# KiCad board Naked48.kicad_pcb (continued)
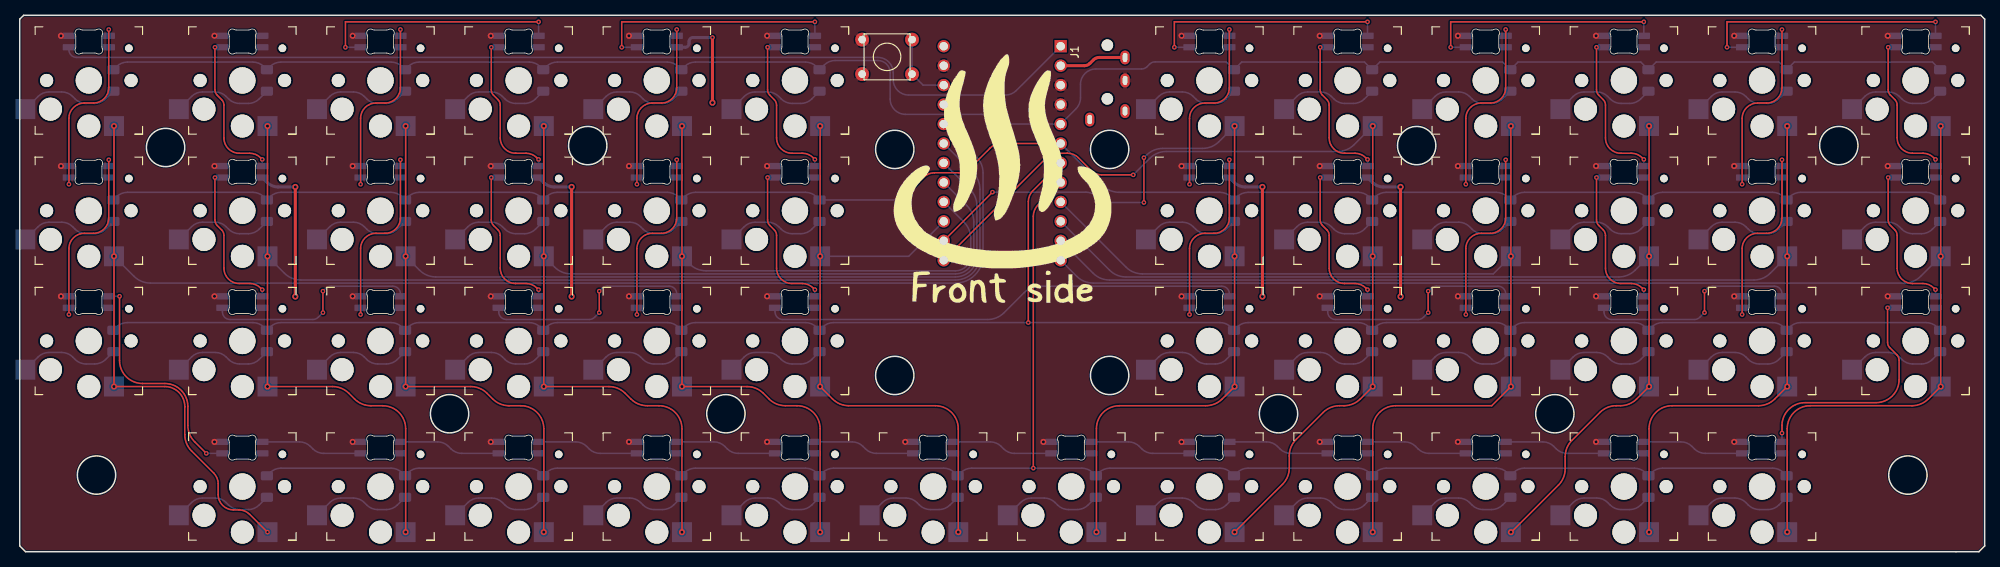
[diagram p0: board, top side]
## Routing (per net, layer and track width the routed paths; a pad name or vN(x,y) marks a point on that pad's centre or on a via; arc(x,y) is an arc through that point) (continued)
RGB: length 135.9
  Bottom w0.2: 6.41,65.83 6.41,65.5 arc(6.7,64.8) 7.41,64.5 111.8,64.5 arc(113.21,63.92) 113.8,62.5 113.8,61.6 arc(114.39,60.19) 115.8,59.6 128.42,59.6 arc(129.19,59.75) 129.84,60.19 U1.1
Row0: length 257.1
  Bottom w0.2: D1.1 12.61,63.31 arc(13.26,63.75) 14.03,63.9 30.37,63.9 arc(31.14,63.75) 31.79,63.31 D2.1 32.61,63.31 arc(33.26,63.75) 34.03,63.9 48.37,63.9 arc(49.14,63.75) 49.79,63.31 D3.1 50.61,63.31 arc(51.26,63.75) 52.03,63.9 66.37,63.9 arc(67.14,63.75) 67.79,63.31 D4.1 68.61,63.31 arc(69.26,63.75) 70.03,63.9 84.37,63.9 arc(85.14,63.75) 85.79,63.31 D5.1 86.61,63.31 arc(87.26,63.75) 88.03,63.9 102.37,63.9 arc(103.14,63.75) 103.79,63.31 D6.1 104.82,63.52 arc(105.47,63.95) 106.23,64.1 111.8,64.1 arc(112.93,63.64) 113.4,62.5 113.4,59.08 arc(113.99,57.66) 115.4,57.08 125.27,57.08 arc(126.04,56.92) 126.69,56.49 126.78,56.4 arc(127.43,55.96) 128.19,55.81 U1.5 137.61,57.8 arc(138.05,58.45) 138.2,59.22 138.2,61 arc(138.79,62.41) 140.2,63 146.16,63 arc(146.54,63.08) 146.87,63.29 147.21,63.63 arc(147.53,63.85) 147.91,63.92 157.18,63.92 D7.1 159.2,63.9 175.2,63.9 D8.1 177.2,63.9 193.2,63.9 D9.1 195.2,63.9 211.2,63.9 D10.1 213.2,63.9 229.2,63.9 D11.1 231.2,63.9 249.2,63.9 D12.1
Row1: length 250.2
  Top w0.2: v1(114.8,45.9) 117.76,48.86 arc(118.41,49.3) 119.18,49.45 122.37,49.45 arc(123.14,49.6) 123.79,50.04 126.43,52.68 arc(127.08,53.12) 127.85,53.27 U1.6
  Bottom w0.2: D13.1 12.61,46.31 arc(13.26,46.75) 14.03,46.9 30.37,46.9 arc(31.14,46.75) 31.79,46.31 D14.1 32.61,46.31 arc(33.26,46.75) 34.03,46.9 48.37,46.9 arc(49.14,46.75) 49.79,46.31 D15.1 50.61,46.31 arc(51.26,46.75) 52.03,46.9 66.37,46.9 arc(67.14,46.75) 67.79,46.31 D16.1 68.61,46.31 arc(69.26,46.75) 70.03,46.9 84.37,46.9 arc(85.14,46.75) 85.79,46.31 D17.1 86.61,46.31 arc(87.26,46.75) 88.03,46.9 102.37,46.9 arc(103.14,46.75) 103.79,46.31 D18.1 v1(114.8,45.9) ; D24.1 249.79,46.31 arc(249.14,46.75) 248.37,46.9 232.03,46.9 arc(231.26,46.75) 230.61,46.31 D23.1 229.79,46.31 arc(229.14,46.75) 228.37,46.9 214.03,46.9 arc(213.26,46.75) 212.61,46.31 D22.1 211.79,46.31 arc(211.14,46.75) 210.37,46.9 196.03,46.9 arc(195.26,46.75) 194.61,46.31 D21.1 193.79,46.31 arc(193.14,46.75) 192.37,46.9 178.03,46.9 arc(177.26,46.75) 176.61,46.31 D20.1 175.79,46.31 arc(175.14,46.75) 174.37,46.9 160.03,46.9 arc(159.26,46.75) 158.61,46.31 D19.1 157.79,46.31 arc(157.14,46.75) 156.37,46.9 143.23,46.9 arc(142.08,47.13) 141.11,47.78 U1.6
Row2: length 267.7
  Top w0.2: v1(131.4,29.9) 131.4,45.68 arc(131.55,46.45) 131.99,47.1 U1.7
  Bottom w0.2: D47.1 249.79,29.31 arc(249.14,29.75) 248.37,29.9 232.03,29.9 arc(231.26,29.75) 230.61,29.31 D45.1 229.79,29.31 arc(229.14,29.75) 228.37,29.9 214.03,29.9 arc(213.26,29.75) 212.61,29.31 D43.1 211.79,29.31 arc(211.14,29.75) 210.37,29.9 196.03,29.9 arc(195.26,29.75) 194.61,29.31 D41.1 193.79,29.31 arc(193.14,29.75) 192.37,29.9 178.03,29.9 arc(177.26,29.75) 176.61,29.31 D39.1 175.79,29.31 arc(175.14,29.75) 174.37,29.9 160.03,29.9 arc(159.26,29.75) 158.61,29.31 D37.1 157.79,29.31 arc(157.14,29.75) 156.37,29.9 v1(131.4,29.9) 106.03,29.9 arc(105.26,29.75) 104.61,29.31 D35.1 103.79,29.31 arc(103.14,29.75) 102.37,29.9 88.03,29.9 arc(87.26,29.75) 86.61,29.31 D33.1 85.79,29.31 arc(85.14,29.75) 84.37,29.9 70.03,29.9 arc(69.26,29.75) 68.61,29.31 D31.1 67.79,29.31 arc(67.14,29.75) 66.37,29.9 52.03,29.9 arc(51.26,29.75) 50.61,29.31 D29.1 49.79,29.31 arc(49.14,29.75) 48.37,29.9 34.03,29.9 arc(33.26,29.75) 32.61,29.31 D27.1 31.79,29.31 arc(31.14,29.75) 30.37,29.9 14.03,29.9 arc(13.26,29.75) 12.61,29.31 D25.1
Row3: length 243.9
  Top w0.2: U1.8 132.64,45.21 arc(132.21,44.56) 132.06,43.8 v1(132.06,10.9)
  Bottom w0.2: D26.1 32.61,10.31 arc(33.26,10.75) 34.03,10.9 48.37,10.9 arc(49.14,10.75) 49.79,10.31 D28.1 50.61,10.31 arc(51.26,10.75) 52.03,10.9 66.37,10.9 arc(67.14,10.75) 67.79,10.31 D30.1 68.61,10.31 arc(69.26,10.75) 70.03,10.9 84.37,10.9 arc(85.14,10.75) 85.79,10.31 D32.1 86.61,10.31 arc(87.26,10.75) 88.03,10.9 102.37,10.9 arc(103.14,10.75) 103.79,10.31 D34.1 104.61,10.31 arc(105.26,10.75) 106.03,10.9 120.37,10.9 arc(121.14,10.75) 121.79,10.31 D36.1 122.61,10.31 arc(123.26,10.75) 124.03,10.9 v1(132.06,10.9) 138.37,10.9 arc(139.14,10.75) 139.79,10.31 D38.1 140.61,10.31 arc(141.26,10.75) 142.03,10.9 156.37,10.9 arc(157.14,10.75) 157.79,10.31 D40.1 158.61,10.31 arc(159.26,10.75) 160.03,10.9 174.37,10.9 arc(175.14,10.75) 175.79,10.31 D42.1 176.61,10.31 arc(177.26,10.75) 178.03,10.9 192.37,10.9 arc(193.14,10.75) 193.79,10.31 D44.1 194.61,10.31 arc(195.26,10.75) 196.03,10.9 210.37,10.9 arc(211.14,10.75) 211.79,10.31 D46.1 212.61,10.31 arc(213.26,10.75) 214.03,10.9 228.37,10.9 arc(229.14,10.75) 229.79,10.31 D48.1
RST: length 9.2
  Bottom w0.2: SW1.1 SW1.3 117.69,60.89 U1.22
Net-(D1-Pad2): length 13.3
  Bottom w0.2: MX1.2 2.39,59.41 arc(3.04,59.85) 3.8,60 5.47,60 arc(6.24,59.85) 6.89,59.41 7.21,59.09 arc(7.86,58.65) 8.63,58.5 9.77,58.5 arc(10.54,58.65) 11.19,59.09 D1.2
Net-(D2-Pad2): length 13.3
  Bottom w0.2: MX2.2 22.39,59.41 arc(23.04,59.85) 23.8,60 25.47,60 arc(26.24,59.85) 26.89,59.41 27.21,59.09 arc(27.86,58.65) 28.63,58.5 29.77,58.5 arc(30.54,58.65) 31.19,59.09 D2.2
Net-(D3-Pad2): length 13.3
  Bottom w0.2: MX3.2 40.39,59.41 arc(41.04,59.85) 41.8,60 43.47,60 arc(44.24,59.85) 44.89,59.41 45.21,59.09 arc(45.86,58.65) 46.63,58.5 47.77,58.5 arc(48.54,58.65) 49.19,59.09 D3.2
Net-(D4-Pad2): length 13.3
  Bottom w0.2: MX4.2 58.39,59.41 arc(59.04,59.85) 59.8,60 61.47,60 arc(62.24,59.85) 62.89,59.41 63.21,59.09 arc(63.86,58.65) 64.63,58.5 65.77,58.5 arc(66.54,58.65) 67.19,59.09 D4.2
Net-(D5-Pad2): length 13.3
  Bottom w0.2: MX5.2 76.39,59.41 arc(77.04,59.85) 77.8,60 79.47,60 arc(80.24,59.85) 80.89,59.41 81.21,59.09 arc(81.86,58.65) 82.63,58.5 83.77,58.5 arc(84.54,58.65) 85.19,59.09 D5.2
Net-(D6-Pad2): length 13.3
  Bottom w0.2: MX6.2 94.39,59.41 arc(95.04,59.85) 95.8,60 97.47,60 arc(98.24,59.85) 98.89,59.41 99.21,59.09 arc(99.86,58.65) 100.63,58.5 101.77,58.5 arc(102.54,58.65) 103.19,59.09 D6.2
Net-(D7-Pad2): length 13.3
  Bottom w0.2: MX7.2 148.39,59.41 arc(149.04,59.85) 149.8,60 151.47,60 arc(152.24,59.85) 152.89,59.41 153.21,59.09 arc(153.86,58.65) 154.63,58.5 155.77,58.5 arc(156.54,58.65) 157.19,59.09 D7.2
Net-(D8-Pad2): length 13.3
  Bottom w0.2: MX8.2 166.39,59.41 arc(167.04,59.85) 167.8,60 169.47,60 arc(170.24,59.85) 170.89,59.41 171.21,59.09 arc(171.86,58.65) 172.63,58.5 173.77,58.5 arc(174.54,58.65) 175.19,59.09 D8.2
Net-(D9-Pad2): length 13.3
  Bottom w0.2: MX9.2 184.39,59.41 arc(185.04,59.85) 185.8,60 187.47,60 arc(188.24,59.85) 188.89,59.41 189.21,59.09 arc(189.86,58.65) 190.63,58.5 191.77,58.5 arc(192.54,58.65) 193.19,59.09 D9.2
Net-(D10-Pad2): length 13.3
  Bottom w0.2: MX10.2 202.39,59.41 arc(203.04,59.85) 203.8,60 205.47,60 arc(206.24,59.85) 206.89,59.41 207.21,59.09 arc(207.86,58.65) 208.63,58.5 209.77,58.5 arc(210.54,58.65) 211.19,59.09 D10.2
Net-(D11-Pad2): length 13.3
  Bottom w0.2: MX11.2 220.39,59.41 arc(221.04,59.85) 221.8,60 223.47,60 arc(224.24,59.85) 224.89,59.41 225.21,59.09 arc(225.86,58.65) 226.63,58.5 227.77,58.5 arc(228.54,58.65) 229.19,59.09 D11.2
Net-(D12-Pad2): length 13.3
  Bottom w0.2: MX12.2 240.39,59.41 arc(241.04,59.85) 241.8,60 243.47,60 arc(244.24,59.85) 244.89,59.41 245.21,59.09 arc(245.86,58.65) 246.63,58.5 247.77,58.5 arc(248.54,58.65) 249.19,59.09 D12.2
Net-(D13-Pad2): length 13.3
  Bottom w0.2: MX13.2 2.39,42.41 arc(3.04,42.85) 3.8,43 5.47,43 arc(6.24,42.85) 6.89,42.41 7.21,42.09 arc(7.86,41.65) 8.63,41.5 9.77,41.5 arc(10.54,41.65) 11.19,42.09 D13.2
Net-(D14-Pad2): length 13.3
  Bottom w0.2: MX14.2 22.39,42.41 arc(23.04,42.85) 23.8,43 25.47,43 arc(26.24,42.85) 26.89,42.41 27.21,42.09 arc(27.86,41.65) 28.63,41.5 29.77,41.5 arc(30.54,41.65) 31.19,42.09 D14.2
Net-(D15-Pad2): length 13.3
  Bottom w0.2: MX15.2 40.39,42.41 arc(41.04,42.85) 41.8,43 43.47,43 arc(44.24,42.85) 44.89,42.41 45.21,42.09 arc(45.86,41.65) 46.63,41.5 47.77,41.5 arc(48.54,41.65) 49.19,42.09 D15.2
Net-(D16-Pad2): length 13.3
  Bottom w0.2: MX16.2 58.39,42.41 arc(59.04,42.85) 59.8,43 61.47,43 arc(62.24,42.85) 62.89,42.41 63.21,42.09 arc(63.86,41.65) 64.63,41.5 65.77,41.5 arc(66.54,41.65) 67.19,42.09 D16.2
Net-(D17-Pad2): length 13.3
  Bottom w0.2: MX17.2 76.39,42.41 arc(77.04,42.85) 77.8,43 79.47,43 arc(80.24,42.85) 80.89,42.41 81.21,42.09 arc(81.86,41.65) 82.63,41.5 83.77,41.5 arc(84.54,41.65) 85.19,42.09 D17.2
Net-(D18-Pad2): length 13.3
  Bottom w0.2: MX18.2 94.39,42.41 arc(95.04,42.85) 95.8,43 97.47,43 arc(98.24,42.85) 98.89,42.41 99.21,42.09 arc(99.86,41.65) 100.63,41.5 101.77,41.5 arc(102.54,41.65) 103.19,42.09 D18.2
Net-(D19-Pad2): length 13.3
  Bottom w0.2: MX19.2 148.39,42.41 arc(149.04,42.85) 149.8,43 151.47,43 arc(152.24,42.85) 152.89,42.41 153.21,42.09 arc(153.86,41.65) 154.63,41.5 155.77,41.5 arc(156.54,41.65) 157.19,42.09 D19.2
Net-(D20-Pad2): length 13.3
  Bottom w0.2: MX20.2 166.39,42.41 arc(167.04,42.85) 167.8,43 169.47,43 arc(170.24,42.85) 170.89,42.41 171.21,42.09 arc(171.86,41.65) 172.63,41.5 173.77,41.5 arc(174.54,41.65) 175.19,42.09 D20.2
Net-(D21-Pad2): length 13.3
  Bottom w0.2: MX21.2 184.39,42.41 arc(185.04,42.85) 185.8,43 187.47,43 arc(188.24,42.85) 188.89,42.41 189.21,42.09 arc(189.86,41.65) 190.63,41.5 191.77,41.5 arc(192.54,41.65) 193.19,42.09 D21.2
Net-(D22-Pad2): length 13.3
  Bottom w0.2: MX22.2 202.39,42.41 arc(203.04,42.85) 203.8,43 205.47,43 arc(206.24,42.85) 206.89,42.41 207.21,42.09 arc(207.86,41.65) 208.63,41.5 209.77,41.5 arc(210.54,41.65) 211.19,42.09 D22.2
Net-(D23-Pad2): length 13.3
  Bottom w0.2: MX23.2 220.39,42.41 arc(221.04,42.85) 221.8,43 223.47,43 arc(224.24,42.85) 224.89,42.41 225.21,42.09 arc(225.86,41.65) 226.63,41.5 227.77,41.5 arc(228.54,41.65) 229.19,42.09 D23.2
Net-(D24-Pad2): length 13.3
  Bottom w0.2: D24.2 249.19,42.09 arc(248.54,41.65) 247.77,41.5 246.63,41.5 arc(245.86,41.65) 245.21,42.09 244.89,42.41 arc(244.24,42.85) 243.47,43 241.8,43 arc(241.04,42.85) 240.39,42.41 MX24.2
Net-(D25-Pad2): length 13.3
  Bottom w0.2: MX25.2 2.39,25.41 arc(3.04,25.85) 3.8,26 5.47,26 arc(6.24,25.85) 6.89,25.41 7.21,25.09 arc(7.86,24.65) 8.63,24.5 9.77,24.5 arc(10.54,24.65) 11.19,25.09 D25.2
Net-(D26-Pad2): length 13.3
  Bottom w0.2: D26.2 31.19,6.09 arc(30.54,5.65) 29.77,5.5 28.63,5.5 arc(27.86,5.65) 27.21,6.09 26.89,6.41 arc(26.24,6.85) 25.47,7 23.8,7 arc(23.04,6.85) 22.39,6.41 MX26.2
Net-(D27-Pad2): length 13.3
  Bottom w0.2: MX27.2 22.39,25.41 arc(23.04,25.85) 23.8,26 25.47,26 arc(26.24,25.85) 26.89,25.41 27.21,25.09 arc(27.86,24.65) 28.63,24.5 29.77,24.5 arc(30.54,24.65) 31.19,25.09 D27.2
Net-(D28-Pad2): length 13.3
  Bottom w0.2: MX28.2 40.39,6.41 arc(41.04,6.85) 41.8,7 43.47,7 arc(44.24,6.85) 44.89,6.41 45.21,6.09 arc(45.86,5.65) 46.63,5.5 47.77,5.5 arc(48.54,5.65) 49.19,6.09 D28.2
Net-(D29-Pad2): length 13.3
  Bottom w0.2: MX29.2 40.39,25.41 arc(41.04,25.85) 41.8,26 43.47,26 arc(44.24,25.85) 44.89,25.41 45.21,25.09 arc(45.86,24.65) 46.63,24.5 47.77,24.5 arc(48.54,24.65) 49.19,25.09 D29.2
Net-(D30-Pad2): length 13.3
  Bottom w0.2: MX30.2 58.39,6.41 arc(59.04,6.85) 59.8,7 61.47,7 arc(62.24,6.85) 62.89,6.41 63.21,6.09 arc(63.86,5.65) 64.63,5.5 65.77,5.5 arc(66.54,5.65) 67.19,6.09 D30.2
Net-(D31-Pad2): length 13.3
  Bottom w0.2: MX31.2 58.39,25.41 arc(59.04,25.85) 59.8,26 61.47,26 arc(62.24,25.85) 62.89,25.41 63.21,25.09 arc(63.86,24.65) 64.63,24.5 65.77,24.5 arc(66.54,24.65) 67.19,25.09 D31.2
Net-(D32-Pad2): length 13.3
  Bottom w0.2: MX32.2 76.39,6.41 arc(77.04,6.85) 77.8,7 79.47,7 arc(80.24,6.85) 80.89,6.41 81.21,6.09 arc(81.86,5.65) 82.63,5.5 83.77,5.5 arc(84.54,5.65) 85.19,6.09 D32.2
Net-(D33-Pad2): length 13.3
  Bottom w0.2: MX33.2 76.39,25.41 arc(77.04,25.85) 77.8,26 79.47,26 arc(80.24,25.85) 80.89,25.41 81.21,25.09 arc(81.86,24.65) 82.63,24.5 83.77,24.5 arc(84.54,24.65) 85.19,25.09 D33.2
Net-(D34-Pad2): length 13.3
  Bottom w0.2: MX34.2 94.39,6.41 arc(95.04,6.85) 95.8,7 97.47,7 arc(98.24,6.85) 98.89,6.41 99.21,6.09 arc(99.86,5.65) 100.63,5.5 101.77,5.5 arc(102.54,5.65) 103.19,6.09 D34.2
Net-(D35-Pad2): length 13.3
  Bottom w0.2: MX35.2 94.39,25.41 arc(95.04,25.85) 95.8,26 97.47,26 arc(98.24,25.85) 98.89,25.41 99.21,25.09 arc(99.86,24.65) 100.63,24.5 101.77,24.5 arc(102.54,24.65) 103.19,25.09 D35.2
Net-(D36-Pad2): length 13.3
  Bottom w0.2: MX36.2 112.39,6.41 arc(113.04,6.85) 113.8,7 115.47,7 arc(116.24,6.85) 116.89,6.41 117.21,6.09 arc(117.86,5.65) 118.63,5.5 119.77,5.5 arc(120.54,5.65) 121.19,6.09 D36.2
Net-(D37-Pad2): length 13.3
  Bottom w0.2: MX37.2 148.39,25.41 arc(149.04,25.85) 149.8,26 151.47,26 arc(152.24,25.85) 152.89,25.41 153.21,25.09 arc(153.86,24.65) 154.63,24.5 155.77,24.5 arc(156.54,24.65) 157.19,25.09 D37.2
Net-(D38-Pad2): length 13.3
  Bottom w0.2: MX38.2 130.39,6.41 arc(131.04,6.85) 131.8,7 133.47,7 arc(134.24,6.85) 134.89,6.41 135.21,6.09 arc(135.86,5.65) 136.63,5.5 137.77,5.5 arc(138.54,5.65) 139.19,6.09 D38.2
Net-(D39-Pad2): length 13.3
  Bottom w0.2: MX39.2 166.39,25.41 arc(167.04,25.85) 167.8,26 169.47,26 arc(170.24,25.85) 170.89,25.41 171.21,25.09 arc(171.86,24.65) 172.63,24.5 173.77,24.5 arc(174.54,24.65) 175.19,25.09 D39.2
Net-(D40-Pad2): length 13.3
  Bottom w0.2: MX40.2 148.39,6.41 arc(149.04,6.85) 149.8,7 151.47,7 arc(152.24,6.85) 152.89,6.41 153.21,6.09 arc(153.86,5.65) 154.63,5.5 155.77,5.5 arc(156.54,5.65) 157.19,6.09 D40.2
Net-(D41-Pad2): length 13.3
  Bottom w0.2: MX41.2 184.39,25.41 arc(185.04,25.85) 185.8,26 187.47,26 arc(188.24,25.85) 188.89,25.41 189.21,25.09 arc(189.86,24.65) 190.63,24.5 191.77,24.5 arc(192.54,24.65) 193.19,25.09 D41.2
Net-(D42-Pad2): length 13.3
  Bottom w0.2: MX42.2 166.39,6.41 arc(167.04,6.85) 167.8,7 169.47,7 arc(170.24,6.85) 170.89,6.41 171.21,6.09 arc(171.86,5.65) 172.63,5.5 173.77,5.5 arc(174.54,5.65) 175.19,6.09 D42.2
Net-(D43-Pad2): length 13.3
  Bottom w0.2: MX43.2 202.39,25.41 arc(203.04,25.85) 203.8,26 205.47,26 arc(206.24,25.85) 206.89,25.41 207.21,25.09 arc(207.86,24.65) 208.63,24.5 209.77,24.5 arc(210.54,24.65) 211.19,25.09 D43.2
Net-(D44-Pad2): length 13.3
  Bottom w0.2: MX44.2 184.39,6.41 arc(185.04,6.85) 185.8,7 187.47,7 arc(188.24,6.85) 188.89,6.41 189.21,6.09 arc(189.86,5.65) 190.63,5.5 191.77,5.5 arc(192.54,5.65) 193.19,6.09 D44.2
Net-(D45-Pad2): length 13.3
  Bottom w0.2: MX45.2 220.39,25.41 arc(221.04,25.85) 221.8,26 223.47,26 arc(224.24,25.85) 224.89,25.41 225.21,25.09 arc(225.86,24.65) 226.63,24.5 227.77,24.5 arc(228.54,24.65) 229.19,25.09 D45.2
Net-(D46-Pad2): length 13.3
  Bottom w0.2: MX46.2 202.39,6.41 arc(203.04,6.85) 203.8,7 205.47,7 arc(206.24,6.85) 206.89,6.41 207.21,6.09 arc(207.86,5.65) 208.63,5.5 209.77,5.5 arc(210.54,5.65) 211.19,6.09 D46.2
Net-(D47-Pad2): length 13.3
  Bottom w0.2: D47.2 249.19,25.09 arc(248.54,24.65) 247.77,24.5 246.63,24.5 arc(245.86,24.65) 245.21,25.09 244.89,25.41 arc(244.24,25.85) 243.47,26 241.8,26 arc(241.04,25.85) 240.39,25.41 MX47.2
Net-(D48-Pad2): length 13.3
  Bottom w0.2: MX48.2 220.39,6.41 arc(221.04,6.85) 221.8,7 223.47,7 arc(224.24,6.85) 224.89,6.41 225.21,6.09 arc(225.86,5.65) 226.63,5.5 227.77,5.5 arc(228.54,5.65) 229.19,6.09 D48.2
Net-(RGB1-Pad2): length 25.4
  Top w0.2: v1(11.59,68.14) 11.59,60.55 arc(11.01,59.14) 9.59,58.55 8.41,58.55 arc(6.99,57.96) 6.41,56.55 v1(6.41,47.95)
  Bottom w0.2: 11.59,67.33 v1(11.59,68.14) ; 6.41,48.83 v1(6.41,47.95)
Net-(RGB2-Pad2): length 25.4
  Top w0.2: v1(6.41,30.95) 6.41,39.55 arc(6.99,40.96) 8.41,41.55 9.59,41.55 arc(11.01,42.14) 11.59,43.55 v1(11.59,51.14)
  Bottom w0.2: 11.59,50.33 v1(11.59,51.14) ; 6.41,31.83 v1(6.41,30.95)
Net-(RGB3-Pad2): length 31.2
  Top w0.2: v1(24.3,12.83) 22.78,14.35 arc(22.13,15.32) 21.9,16.47 21.9,18.95 arc(21.02,21.07) 18.9,21.95 16,21.95 arc(13.88,22.83) 13,24.95 v1(13,33.33)
  Bottom w0.2: v1(24.3,12.83) 26.41,12.83 ; 11.59,33.33 v1(13,33.33)
Net-(RGB4-Pad2): length 13.3
  Bottom w0.2: 31.59,14.33 36.44,14.33 arc(37.21,14.18) 37.86,13.74 38.18,13.42 arc(38.83,12.98) 39.6,12.83 44.41,12.83
Net-(RGB5-Pad2): length 13.3
  Bottom w0.2: 62.41,12.83 57.6,12.83 arc(56.83,12.98) 56.18,13.42 55.86,13.74 arc(55.21,14.18) 54.44,14.33 49.59,14.33
Net-(RGB6-Pad2): length 13.3
  Bottom w0.2: 80.41,12.83 75.6,12.83 arc(74.83,12.98) 74.18,13.42 73.86,13.74 arc(73.21,14.18) 72.44,14.33 67.59,14.33
Net-(RGB7-Pad2): length 13.3
  Bottom w0.2: 98.41,12.83 93.6,12.83 arc(92.83,12.98) 92.18,13.42 91.86,13.74 arc(91.21,14.18) 90.44,14.33 85.59,14.33
Net-(RGB10-Pad2): length 31.8
  Top w0.2: v1(229.59,15.47) 229.59,16.45 arc(230.47,18.57) 232.59,19.45 241.85,19.45 arc(243.97,20.33) 244.85,22.45 244.85,24.99 arc(244.77,25.37) 244.56,25.7 243.64,26.61 arc(243.43,26.94) 243.35,27.32 v1(243.35,31.83)
  Bottom w0.2: 244.4,31.83 v1(243.35,31.83) ; 229.59,14.33 v1(229.59,15.47)
Net-(RGB10-Pad4): length 13.3
  Bottom w0.2: 224.41,12.83 219.6,12.83 arc(218.83,12.98) 218.18,13.42 217.86,13.74 arc(217.21,14.18) 216.44,14.33 211.59,14.33
Net-(RGB11-Pad4): length 13.3
  Bottom w0.2: 206.41,12.83 201.6,12.83 arc(200.83,12.98) 200.18,13.42 199.86,13.74 arc(199.21,14.18) 198.44,14.33 193.59,14.33
Net-(RGB12-Pad4): length 13.3
  Bottom w0.2: 188.41,12.83 183.6,12.83 arc(182.83,12.98) 182.18,13.42 181.86,13.74 arc(181.21,14.18) 180.44,14.33 175.59,14.33
Net-(RGB13-Pad4): length 13.3
  Bottom w0.2: 170.41,12.83 165.6,12.83 arc(164.83,12.98) 164.18,13.42 163.86,13.74 arc(163.21,14.18) 162.44,14.33 157.59,14.33
Net-(RGB14-Pad4): length 13.3
  Bottom w0.2: 152.41,12.83 147.6,12.83 arc(146.83,12.98) 146.18,13.42 145.86,13.74 arc(145.21,14.18) 144.44,14.33 139.59,14.33
Net-(RGB15-Pad4): length 13.3
  Bottom w0.2: 134.41,12.83 129.6,12.83 arc(128.83,12.98) 128.18,13.42 127.86,13.74 arc(127.21,14.18) 126.44,14.33 121.59,14.33
Net-(RGB16-Pad4): length 13.3
  Bottom w0.2: 116.41,12.83 111.6,12.83 arc(110.83,12.98) 110.18,13.42 109.86,13.74 arc(109.21,14.18) 108.44,14.33 103.59,14.33
Net-(RGB17-Pad2): length 20.5
  Top w0.2: v1(243.43,65.83) 243.43,60.28 arc(243.51,59.9) 243.72,59.58 244.31,58.99 arc(244.52,58.67) 244.6,58.29 244.6,54 arc(245.19,52.59) 246.6,52 247.96,52 arc(248.73,51.85) 249.38,51.41 v1(249.6,51.2)
  Bottom w0.2: 249.6,50.33 v1(249.6,51.2) ; 244.4,65.83 v1(243.43,65.83)
Net-(RGB17-Pad4): length 20.5
  Top w0.2: v1(243.43,48.83) 243.43,43.28 arc(243.51,42.9) 243.72,42.58 244.31,41.99 arc(244.52,41.67) 244.6,41.29 244.6,37 arc(245.19,35.59) 246.6,35 247.96,35 arc(248.73,34.85) 249.38,34.41 v1(249.6,34.2)
  Bottom w0.2: 244.4,48.83 v1(243.43,48.83) ; 249.6,33.33 v1(249.6,34.2)
Net-(RGB18-Pad2): length 25.4
  Top w0.2: v1(152.41,30.95) 152.41,39.55 arc(152.99,40.96) 154.41,41.55 155.59,41.55 arc(157.01,42.14) 157.59,43.55 v1(157.59,51.14)
  Bottom w0.2: 152.41,31.83 v1(152.41,30.95) ; 157.59,50.33 v1(157.59,51.14)
Net-(RGB18-Pad4): length 25.4
  Top w0.2: v1(157.59,68.14) 157.59,60.55 arc(157.01,59.14) 155.59,58.55 154.41,58.55 arc(152.99,57.96) 152.41,56.55 v1(152.41,47.95)
  Bottom w0.2: 157.59,67.33 v1(157.59,68.14) ; 152.41,48.83 v1(152.41,47.95)
Net-(RGB19-Pad2): length 34.3
  Top w0.2: v1(222.43,65.83) 222.43,69.15 v1(249.6,69.15)
  Bottom w0.2: 224.41,65.83 v1(222.43,65.83) ; 249.6,67.33 v1(249.6,69.15)
Net-(RGB20-Pad4): length 32.3
  Top w0.2: v1(175.59,69.15) 150.43,69.15 v1(150.43,65.83)
  Bottom w0.2: v1(175.59,69.15) 175.59,67.33 ; 152.41,65.83 v1(150.43,65.83)
Net-(RGB21-Pad2): length 25.4
  Top w0.2: v1(229.59,68.14) 229.59,60.55 arc(229.01,59.14) 227.59,58.55 226.41,58.55 arc(224.99,57.96) 224.41,56.55 v1(224.41,47.95)
  Bottom w0.2: 224.41,48.83 v1(224.41,47.95) ; 229.59,67.33 v1(229.59,68.14)
Net-(RGB22-Pad4): length 20.5
  Top w0.2: v1(175.59,51.2) 175.38,51.41 arc(174.73,51.85) 173.96,52 172.6,52 arc(171.19,52.59) 170.6,54 170.6,58.29 arc(170.52,58.67) 170.31,58.99 169.72,59.58 arc(169.51,59.9) 169.43,60.28 v1(169.43,65.83)
  Bottom w0.2: 175.59,50.33 v1(175.59,51.2) ; 170.41,65.83 v1(169.43,65.83)
Net-(RGB23-Pad2): length 25.4
  Top w0.2: v1(224.41,30.95) 224.41,39.55 arc(224.99,40.96) 226.41,41.55 227.59,41.55 arc(229.01,42.14) 229.59,43.55 v1(229.59,51.14)
  Bottom w0.2: 224.41,31.83 v1(224.41,30.95) ; 229.59,50.33 v1(229.59,51.14)
Net-(RGB24-Pad4): length 20.5
  Top w0.2: v1(175.59,34.2) 175.38,34.41 arc(174.73,34.85) 173.96,35 172.6,35 arc(171.19,35.59) 170.6,37 170.6,41.29 arc(170.52,41.67) 170.31,41.99 169.72,42.58 arc(169.51,42.9) 169.43,43.28 v1(169.43,48.83)
  Bottom w0.2: 175.59,33.33 v1(175.59,34.2) ; 170.41,48.83 v1(169.43,48.83)
Net-(RGB25-Pad2): length 28.5
  Top w0.2: v1(219.5,34) v1(219.5,31.2)
  Bottom w0.2: v1(219.5,34) 219.86,34.36 arc(220.19,34.58) 220.57,34.66 228.59,34.66 arc(229.3,34.36) 229.59,33.66 229.59,33.33 ; 206.41,31.83 206.41,31.3 arc(206.7,30.59) 207.41,30.3 218.19,30.3 arc(218.57,30.38) 218.89,30.59 v1(219.5,31.2)
Net-(RGB26-Pad4): length 28.5
  Top w0.2: v1(183.5,34) v1(183.5,31.2)
  Bottom w0.2: 193.59,33.33 193.59,33.66 arc(193.3,34.36) 192.59,34.66 184.57,34.66 arc(184.19,34.58) 183.86,34.36 v1(183.5,34) ; v1(183.5,31.2) 182.89,30.59 arc(182.57,30.38) 182.19,30.3 171.41,30.3 arc(170.7,30.59) 170.41,31.3 170.41,31.83
Net-(RGB27-Pad2): length 20.5
  Top w0.2: v1(211.59,34.2) 211.38,34.41 arc(210.73,34.85) 209.96,35 208.6,35 arc(207.19,35.59) 206.6,37 206.6,41.29 arc(206.52,41.67) 206.31,41.99 205.72,42.58 arc(205.51,42.9) 205.43,43.28 v1(205.43,48.83)
  Bottom w0.2: 211.59,33.33 v1(211.59,34.2) ; 206.41,48.83 v1(205.43,48.83)
Net-(RGB28-Pad4): length 25.4
  Top w0.2: v1(188.41,30.95) 188.41,39.55 arc(188.99,40.96) 190.41,41.55 191.59,41.55 arc(193.01,42.14) 193.59,43.55 v1(193.59,51.14)
  Bottom w0.2: 188.41,31.83 v1(188.41,30.95) ; 193.59,50.33 v1(193.59,51.14)
Net-(RGB29-Pad2): length 20.5
  Top w0.2: v1(205.43,65.83) 205.43,60.28 arc(205.51,59.9) 205.72,59.58 206.31,58.99 arc(206.52,58.67) 206.6,58.29 206.6,54 arc(207.19,52.59) 208.6,52 209.96,52 arc(210.73,51.85) 211.38,51.41 v1(211.59,51.2)
  Bottom w0.2: 211.59,50.33 v1(211.59,51.2) ; 206.41,65.83 v1(205.43,65.83)
Net-(RGB30-Pad4): length 25.4
  Top w0.2: v1(188.41,47.95) 188.41,56.55 arc(188.99,57.96) 190.41,58.55 191.59,58.55 arc(193.01,59.14) 193.59,60.55 v1(193.59,68.14)
  Bottom w0.2: 188.41,48.83 v1(188.41,47.95) ; 193.59,67.33 v1(193.59,68.14)
Net-(RGB31-Pad2): length 32.3
  Top w0.2: v1(211.59,69.15) 186.43,69.15 v1(186.43,65.83)
  Bottom w0.2: 188.41,65.83 v1(186.43,65.83) ; v1(211.59,69.15) 211.59,67.33
Net-(RGB33-Pad2): length 62.7
  Bottom w0.2: 98.41,31.83 98.41,31.3 arc(98.7,30.59) 99.41,30.3 126.11,30.3 arc(127.26,30.53) 128.23,31.18 130.83,33.78 arc(131.8,34.43) 132.95,34.66 156.59,34.66 arc(157.3,34.36) 157.59,33.66 157.59,33.33
Net-(RGB34-Pad4): length 20.5
  Top w0.2: v1(25.43,65.83) 25.43,60.28 arc(25.51,59.9) 25.72,59.58 26.31,58.99 arc(26.52,58.67) 26.6,58.29 26.6,54 arc(27.19,52.59) 28.6,52 29.96,52 arc(30.73,51.85) 31.38,51.41 v1(31.59,51.2)
  Bottom w0.2: 31.59,50.33 v1(31.59,51.2) ; 26.41,65.83 v1(25.43,65.83)
Net-(RGB35-Pad2): length 20.5
  Top w0.2: v1(103.59,34.2) 103.38,34.41 arc(102.73,34.85) 101.96,35 100.6,35 arc(99.19,35.59) 98.6,37 98.6,41.29 arc(98.52,41.67) 98.31,41.99 97.72,42.58 arc(97.51,42.9) 97.43,43.28 v1(97.43,48.83)
  Bottom w0.2: 98.41,48.83 v1(97.43,48.83) ; 103.59,33.33 v1(103.59,34.2)
Net-(RGB36-Pad4): length 20.5
  Top w0.2: v1(25.43,48.83) 25.43,43.28 arc(25.51,42.9) 25.72,42.58 26.31,41.99 arc(26.52,41.67) 26.6,41.29 26.6,37 arc(27.19,35.59) 28.6,35 29.96,35 arc(30.73,34.85) 31.38,34.41 v1(31.59,34.2)
  Bottom w0.2: 26.41,48.83 v1(25.43,48.83) ; 31.59,33.33 v1(31.59,34.2)
Net-(RGB37-Pad2): length 20.5
  Top w0.2: v1(97.43,65.83) 97.43,60.28 arc(97.51,59.9) 97.72,59.58 98.31,58.99 arc(98.52,58.67) 98.6,58.29 98.6,54 arc(99.19,52.59) 100.6,52 101.96,52 arc(102.73,51.85) 103.38,51.41 v1(103.59,51.2)
  Bottom w0.2: 103.59,50.33 v1(103.59,51.2) ; 98.41,65.83 v1(97.43,65.83)
Net-(RGB38-Pad4): length 28.5
  Top w0.2: v1(39.5,34) v1(39.5,31.2)
  Bottom w0.2: v1(39.5,34) 39.86,34.36 arc(40.19,34.58) 40.57,34.66 48.59,34.66 arc(49.3,34.36) 49.59,33.66 49.59,33.33 ; 26.41,31.83 26.41,31.3 arc(26.7,30.59) 27.41,30.3 38.19,30.3 arc(38.57,30.38) 38.89,30.59 v1(39.5,31.2)
Net-(RGB39-Pad2): length 32.3
  Top w0.2: v1(103.59,69.15) 78.43,69.15 v1(78.43,65.83)
  Bottom w0.2: v1(103.59,69.15) 103.59,67.33 ; 80.41,65.83 v1(78.43,65.83)
Net-(RGB40-Pad4): length 25.4
  Top w0.2: v1(49.59,51.14) 49.59,43.55 arc(49.01,42.14) 47.59,41.55 46.41,41.55 arc(44.99,40.96) 44.41,39.55 v1(44.41,30.95)
  Bottom w0.2: 44.41,31.83 v1(44.41,30.95) ; 49.59,50.33 v1(49.59,51.14)
Net-(RGB41-Pad2): length 25.4
  Top w0.2: v1(85.59,68.14) 85.59,60.55 arc(85.01,59.14) 83.59,58.55 82.41,58.55 arc(80.99,57.96) 80.41,56.55 v1(80.41,47.95)
  Bottom w0.2: 85.59,67.33 v1(85.59,68.14) ; 80.41,48.83 v1(80.41,47.95)
Net-(RGB42-Pad4): length 25.4
  Top w0.2: v1(49.59,68.14) 49.59,60.55 arc(49.01,59.14) 47.59,58.55 46.41,58.55 arc(44.99,57.96) 44.41,56.55 v1(44.41,47.95)
  Bottom w0.2: 44.41,48.83 v1(44.41,47.95) ; 49.59,67.33 v1(49.59,68.14)
Net-(RGB43-Pad2): length 25.4
  Top w0.2: v1(80.41,30.95) 80.41,39.55 arc(80.99,40.96) 82.41,41.55 83.59,41.55 arc(85.01,42.14) 85.59,43.55 v1(85.59,51.14)
  Bottom w0.2: 85.59,50.33 v1(85.59,51.14) ; 80.41,31.83 v1(80.41,30.95)
Net-(RGB44-Pad4): length 32.3
  Top w0.2: v1(42.43,65.83) 42.43,69.15 v1(67.59,69.15)
  Bottom w0.2: v1(67.59,69.15) 67.59,67.33 ; 44.41,65.83 v1(42.43,65.83)
Net-(RGB45-Pad2): length 28.5
  Top w0.2: v1(75.5,34) v1(75.5,31.2)
  Bottom w0.2: v1(75.5,31.2) 74.89,30.59 arc(74.57,30.38) 74.19,30.3 63.41,30.3 arc(62.7,30.59) 62.41,31.3 62.41,31.83 ; 85.59,33.33 85.59,33.66 arc(85.3,34.36) 84.59,34.66 76.57,34.66 arc(76.19,34.58) 75.86,34.36 v1(75.5,34)
Net-(RGB46-Pad4): length 20.5
  Top w0.2: v1(61.43,65.83) 61.43,60.28 arc(61.51,59.9) 61.72,59.58 62.31,58.99 arc(62.52,58.67) 62.6,58.29 62.6,54 arc(63.19,52.59) 64.6,52 65.96,52 arc(66.73,51.85) 67.38,51.41 v1(67.59,51.2)
  Bottom w0.2: 67.59,50.33 v1(67.59,51.2) ; 62.41,65.83 v1(61.43,65.83)
Net-(RGB47-Pad2): length 20.5
  Top w0.2: v1(67.59,34.2) 67.38,34.41 arc(66.73,34.85) 65.96,35 64.6,35 arc(63.19,35.59) 62.6,37 62.6,41.29 arc(62.52,41.67) 62.31,41.99 61.72,42.58 arc(61.51,42.9) 61.43,43.28 v1(61.43,48.83)
  Bottom w0.2: 62.41,48.83 v1(61.43,48.83) ; 67.59,33.33 v1(67.59,34.2)

## Copper pours and planes (outline as drawn; the poured copper is in the pictures)
+5V on Bottom: 258.5,-7.2 -3.2,-7.2 -3.2,74.9 258.5,74.9
GND on Top: 258.5,-7.2 -3.2,-7.2 -3.2,74.9 258.5,74.9
